# KiCad board register-backplane.kicad_pcb (continued)
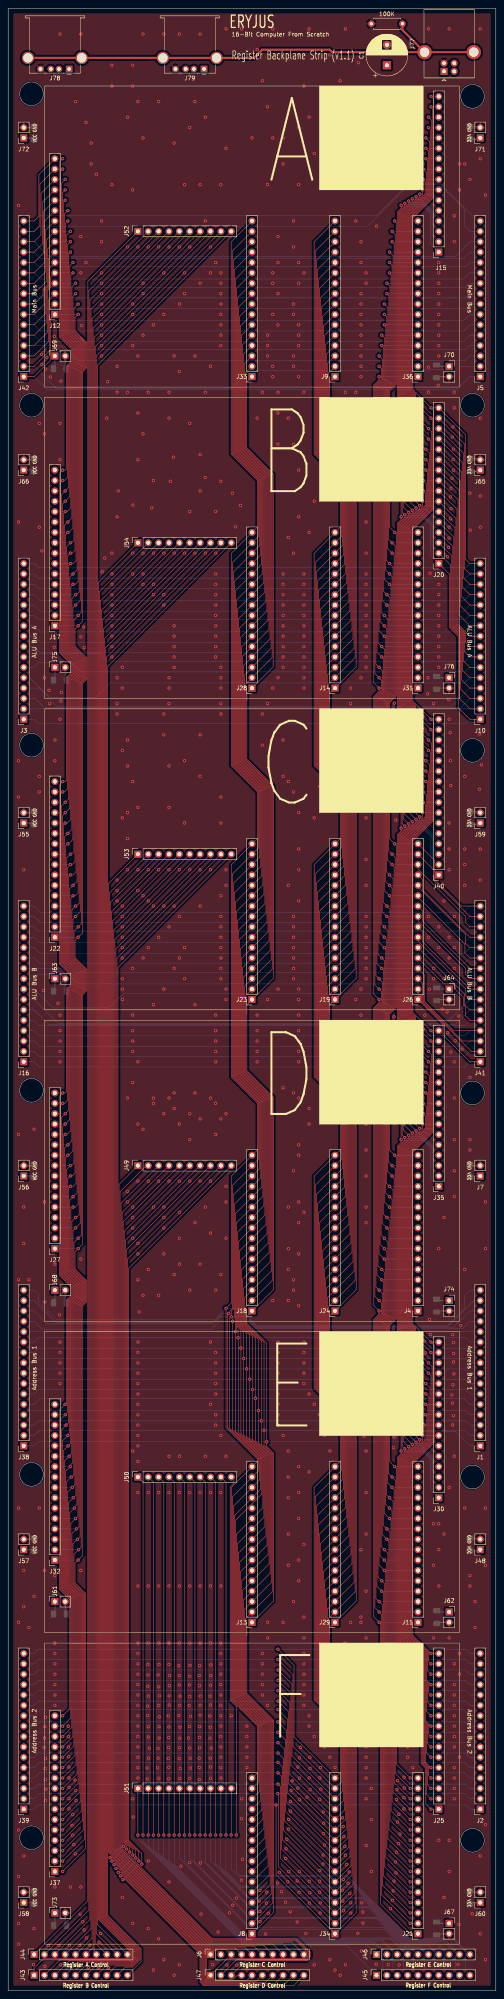
[diagram p0: board, top side]
## Routing (per net, layer and track width the routed paths; a pad name or vN(x,y) marks a point on that pad's centre or on a via; arc(x,y) is an arc through that point)
GNDREF: length 64.9
  Bottom w0.3: 105.12,394.97 J70.2 108.79,394.97 ; J60.2 113.3,24.13 ; C13.2 115.3,456.2 ; J68.2 13.97,168.65 ; J66.2 6.08,374.65 ; 6.06,288.29 J55.2 6.35,288.29 ; 105.15,166.37 J74.2 ; 13.51,396.95 14.19,396.95 ; J56.2 6.08,201.93 ; J69.2 13.97,397.17 ; 105.17,90.17 J62.2 ; J57.2 6.08,110.49 ; J75.2 13.97,320.97 ; J73.2 13.97,16.27 ; J58.2 6.06,24.13 ; 105.17,13.97 J67.2 ; C12.2 115.3,110.76 ; J72.2 6.13,455.93 ; J61.2 13.97,92.47 ; J7.2 113.3,201.93 ; J63.2 13.97,244.87 ; J64.2 105.17,242.57 ; 105.15,318.77 J76.2 ; C6.2 115.3,288.56 ; C25.2 115.3,374.92
  vias: v1(2.54,436.88) v1(2.54,359.41) v1(2.54,300.99) v1(2.54,292.1) v1(2.54,209.55) v1(2.54,173.99) v1(2.54,118.11) v1(2.54,90.17) v1(2.54,39.37) v1(2.54,27.94) v1(2.54,16.51) v1(2.54,11.43) v1(3.81,274.32) v1(3.81,191.77) v1(3.81,182.88) v1(3.81,102.87) v1(3.81,93.98) v1(3.81,33.02) v1(5.08,173.99) v1(5.08,88.9) v1(6.2,6.4) v1(6.35,210.82) v1(6.35,96.52) v1(6.35,15.24) v1(7.62,383.54) v1(7.62,358.14) v1(7.62,297.18) v1(7.62,293.37) v1(7.62,118.11) v1(8.2,400.43) v1(8.25,397.94) v1(8.25,352.35) v1(8.66,244.78) v1(8.79,59.56) v1(8.89,381) v1(8.89,321.31) v1(8.89,193.04) v1(8.89,102.87) v1(8.92,61.87) v1(8.99,168.55) v1(8.99,64.67) v1(9.04,54.38) v1(8.99,6.02) v1(9.12,66.93) v1(9.12,56.82) v1(9.09,51.69) v1(9.12,46.63) v1(9.17,396.82) v1(9.25,49.38) v1(9.5,399.69) v1(9.86,11.1) v1(9.98,318.21) v1(10.16,314.96) v1(10.34,394.89) v1(11.3,404.83) v1(11.35,331.14) v1(11.3,328.78) v1(11.46,407.49) v1(11.43,306.07) v1(11.43,300.99) v1(11.43,177.8) v1(11.43,101.6) v1(11.43,85.09) v1(11.43,82.55) v1(11.43,80.01) v1(11.43,77.47) v1(11.43,74.93) v1(11.43,72.39) v1(11.43,69.85) v1(11.43,25.4) v1(12.22,241.63) v1(12.42,11.1) v1(12.55,165.4) v1(12.7,478.79) v1(12.7,383.54) v1(12.7,374.65) v1(12.7,311.15) v1(12.7,238.76) v1(12.7,234.95) v1(12.7,232.41) v1(12.7,229.87) v1(12.7,227.33) v1(12.7,158.75) v1(12.7,156.21) v1(12.7,153.67) v1(12.7,151.13) v1(12.7,148.59) v1(12.85,6.32) v1(12.9,393.88) v1(12.9,315.6) v1(13,317.73) v1(14.71,64.74) v1(14.76,59.64) v1(14.78,62.18) v1(14.78,57.28) v1(14.83,6.12) v1(14.88,54.76) v1(14.88,52.1) v1(14.88,49.78) v1(14.91,47.04) v1(14.88,44.55) v1(14.96,11.15) v1(15.24,25.4) v1(15.65,40.49) v1(15.8,43.13) v1(15.77,38.07) v1(16.08,35.81) v1(16.38,51.56) v1(16.41,33.53) v1(16.51,462.28) v1(16.56,49) v1(16.64,46.53) v1(17.45,6.12) v1(17.55,11.15) v1(17.6,18.72) v1(17.78,478.79) v1(17.78,429.26) v1(17.78,420.37) v1(17.83,331.32) v1(17.78,179.07) v1(17.78,102.87) v1(17.78,25.4) v1(17.98,407.47) v1(18.26,16.92) v1(18.49,333.71) v1(18.59,328.68) v1(18.62,14.88) v1(19.05,457.2) v1(19.05,422.91) v1(19.15,12.93) v1(19.68,5.72) v1(20.02,11.2) v1(20.32,452.12) v1(20.32,447.04) v1(21.59,444.5) v1(22.23,11.84) v1(22.23,5.72) v1(22.63,14.02) v1(22.86,433.07) v1(22.86,427.99) v1(22.86,420.37) v1(22.86,417.83) v1(22.86,415.29) v1(22.86,412.75) v1(22.86,410.21) v1(22.86,407.67) v1(22.86,405.13) v1(22.86,402.59) v1(22.86,400.05) v1(23.04,347.22) v1(23.62,350.57) v1(24.13,384.81) v1(24.36,393.75) v1(24.59,5.59) v1(25.4,471.17) v1(25.4,466.09) v1(25.4,441.96) v1(25.4,351.79) v1(25.4,346.71) v1(25.4,344.17) v1(25.4,341.63) v1(25.4,339.09) v1(25.4,336.55) v1(25.4,334.01) v1(25.4,331.47) v1(25.4,328.93) v1(25.4,326.39) v1(26.67,397.51) v1(26.67,391.16) v1(26.67,360.68) v1(26.67,321.31) v1(26.67,314.96) v1(26.67,312.42) v1(26.67,271.78) v1(26.67,269.24) v1(26.67,266.7) v1(26.97,367.03) v1(27.94,323.85) v1(27.94,318.77) v1(27.94,303.53) v1(27.94,287.02) v1(27.94,265.43) v1(27.94,262.89) v1(27.94,260.35) v1(27.94,257.81) v1(27.94,255.27) v1(27.94,252.73) v1(27.94,247.65) v1(27.94,245.11) v1(27.94,242.57) v1(27.94,22.86) v1(29.21,458.47) v1(29.21,426.72) v1(29.21,391.16) v1(29.21,306.07) v1(29.21,299.72) v1(29.21,288.29) v1(29.21,281.94) v1(29.21,274.32) v1(29.21,218.44) v1(29.21,195.58) v1(29.21,193.04) v1(30.48,471.17) v1(30.48,466.09) v1(30.48,440.69) v1(30.48,412.75) v1(30.48,410.21) v1(30.48,402.59) v1(30.53,363.55) v1(30.48,351.79) v1(30.48,346.71) v1(30.48,295.91) v1(30.48,250.19) v1(30.48,238.76) v1(30.48,234.95) v1(30.48,232.41) v1(30.48,229.87) v1(30.48,222.25) v1(30.48,191.77) v1(30.48,189.23) v1(30.48,186.69) v1(30.48,184.15) v1(30.48,132.08) v1(30.48,46.99) v1(30.48,16.51) v1(30.61,42.55) v1(31.75,462.28) v1(31.75,426.72) v1(31.75,400.05) v1(31.75,386.08) v1(31.75,374.65) v1(31.75,289.56) v1(31.75,274.32) v1(31.75,269.24) v1(31.75,227.33) v1(31.75,212.09) v1(31.75,198.12) v1(31.75,182.88) v1(31.75,180.34) v1(31.75,173.99) v1(31.75,158.75) v1(31.75,156.21) v1(31.75,153.67) v1(31.75,151.13) v1(31.75,148.59) v1(31.75,146.05) v1(31.75,143.51) v1(31.75,140.97) v1(31.75,138.43) v1(31.75,135.89) v1(31.75,133.35) v1(31.75,129.54) v1(31.75,121.92) v1(31.75,99.06) v1(31.75,85.09) v1(31.75,82.55) v1(31.75,80.01) v1(31.75,77.47) v1(31.75,74.93) v1(31.75,72.39) v1(31.75,69.85) v1(31.75,67.31) v1(31.75,64.77) v1(31.75,62.23) v1(31.75,59.69) v1(31.75,57.15) v1(31.75,54.61) v1(31.75,52.07) v1(32.05,166.14) v1(33.02,478.79) v1(33.02,453.39) v1(33.02,417.83) v1(33.02,415.29) v1(33.02,405.13) v1(33.02,381) v1(33.02,351.79) v1(33.02,346.71) v1(33.02,344.17) v1(33.02,267.97) v1(33.02,252.73) v1(33.02,210.82) v1(33.02,170.18) v1(34.01,54.56) v1(34.14,69.67) v1(34.14,67.36) v1(34.06,51.84) v1(34.19,79.86) v1(34.19,74.52) v1(34.29,426.72) v1(34.29,391.16) v1(34.29,274.32) v1(34.29,266.7) v1(34.29,255.27) v1(34.29,198.12) v1(34.29,176.53) v1(34.29,121.92) v1(34.29,99.06) v1(34.29,85.09) v1(34.26,77.32) v1(34.32,72.11) v1(34.32,64.64) v1(34.32,62.1) v1(34.29,31.75) v1(34.29,15.24) v1(34.37,56.92) v1(34.54,59.36) v1(35.13,362.89) v1(35.56,407.67) v1(35.56,369.57) v1(35.56,351.79) v1(35.56,344.17) v1(35.56,341.63) v1(35.56,265.43) v1(35.56,241.3) v1(35.56,218.44) v1(35.56,217.17) v1(35.56,191.77) v1(35.56,5.08) v1(36.55,54.56) v1(36.73,77.32) v1(36.68,59.31) v1(36.73,56.92) v1(36.83,462.28) v1(36.83,426.72) v1(36.83,274.32) v1(36.83,257.81) v1(36.83,198.12) v1(36.83,170.18) v1(36.83,121.92) v1(36.83,99.06) v1(36.83,85.09) v1(36.86,74.4) v1(36.86,69.85) v1(36.86,52.02) v1(36.83,12.7) v1(36.93,79.86) v1(36.93,64.64) v1(36.93,61.85) v1(37.03,72.16) v1(36.98,67.06) v1(38.1,478.79) v1(38.1,420.37) v1(38.1,410.21) v1(38.1,351.79) v1(38.1,341.63) v1(38.1,339.09) v1(38.1,312.42) v1(38.1,307.34) v1(38.1,265.43) v1(38.1,245.11) v1(38.1,214.63) v1(38.1,191.77) v1(38.1,189.23) v1(38.1,186.69) v1(38.1,180.34) v1(38.1,7.62) v1(39.22,67.26) v1(39.22,56.87) v1(39.34,79.86) v1(39.34,64.57) v1(39.29,61.98) v1(39.29,59.54) v1(39.29,54.69) v1(39.29,51.89) v1(39.37,426.72) v1(39.37,391.16) v1(39.37,384.81) v1(39.37,321.31) v1(39.37,318.77) v1(39.37,314.96) v1(39.37,299.72) v1(39.37,289.56) v1(39.37,274.32) v1(39.37,260.35) v1(39.37,218.44) v1(39.37,198.12) v1(39.37,130.81) v1(39.37,121.92) v1(39.37,99.06) v1(39.37,85.09) v1(39.42,72.16) v1(39.42,69.93) v1(39.37,26.67) v1(39.52,77.14) v1(39.47,74.65) v1(39.7,369.37) v1(40.44,375.26) v1(40.64,452.12) v1(40.64,400.05) v1(40.64,351.79) v1(40.64,334.01) v1(40.64,331.47) v1(40.64,328.93) v1(40.64,326.39) v1(40.64,323.85) v1(40.64,265.43) v1(40.64,250.19) v1(40.64,219.71) v1(40.64,215.9) v1(40.64,175.26) v1(40.64,3.81) v1(41.78,79.55) v1(41.78,67.36) v1(41.91,478.79) v1(41.91,426.72) v1(41.91,412.75) v1(41.91,396.24) v1(41.91,274.32) v1(41.91,262.89) v1(41.91,252.73) v1(41.91,212.09) v1(41.91,198.12) v1(41.91,190.5) v1(41.91,184.15) v1(41.91,177.8) v1(41.91,130.81) v1(41.91,121.92) v1(41.91,99.06) v1(41.91,85.09) v1(41.88,77.14) v1(41.88,74.83) v1(41.88,59.49) v1(41.88,56.82) v1(41.91,6.35) v1(41.96,69.85) v1(42.01,61.8) v1(42.01,51.97) v1(42.09,72.11) v1(42.09,64.52) v1(42.14,54.38) v1(42.27,30.48) v1(43.18,441.96) v1(43.18,420.37) v1(43.18,415.29) v1(43.18,351.79) v1(43.18,300.99) v1(43.18,285.75) v1(43.18,255.27) v1(43.18,247.65) v1(44.15,61.85) v1(44.32,69.8) v1(44.45,455.93) v1(44.45,426.72) v1(44.45,383.54) v1(44.45,361.95) v1(44.45,274.32) v1(44.45,214.63) v1(44.45,208.28) v1(44.45,198.12) v1(44.45,171.45) v1(44.45,121.92) v1(44.45,99.06) v1(44.45,85.09) v1(44.45,76.96) v1(44.37,74.83) v1(44.45,72.03) v1(44.37,64.69) v1(44.45,59.41) v1(44.45,51.97) v1(44.42,31.37) v1(44.5,79.63) v1(44.63,67.18) v1(44.58,56.92) v1(44.63,54.51) v1(45.72,462.28) v1(45.72,400.05) v1(45.72,351.79) v1(45.72,241.3) v1(45.72,219.71) v1(45.72,187.96) v1(46.76,77.14) v1(46.76,56.92) v1(46.81,54.64) v1(46.76,51.71) v1(46.86,79.55) v1(46.86,74.65) v1(46.86,64.64) v1(46.86,62.03) v1(46.86,59.49) v1(46.99,478.79) v1(46.99,441.96) v1(46.99,417.83) v1(46.99,375.92) v1(46.99,367.03) v1(46.99,307.34) v1(46.99,297.18) v1(46.99,274.32) v1(46.99,265.43) v1(46.99,213.36) v1(46.99,198.12) v1(46.99,177.8) v1(46.99,121.92) v1(46.99,99.06) v1(46.99,85.09) v1(46.99,69.85) v1(46.99,67.44) v1(47.04,31.29) v1(47.07,72.11) v1(47.24,18.77) v1(48.26,458.47) v1(48.26,433.07) v1(48.26,391.16) v1(48.23,370.31) v1(48.26,351.79) v1(48.26,191.77) v1(48.26,130.81) v1(49.35,67.26) v1(49.43,72.11) v1(49.43,61.8) v1(49.53,426.72) v1(49.53,420.37) v1(49.53,397.51) v1(49.53,274.32) v1(49.53,218.44) v1(49.53,198.12) v1(49.53,185.42) v1(49.53,158.75) v1(49.53,143.51) v1(49.53,121.92) v1(49.53,99.06) v1(49.53,85.09) v1(49.53,74.78) v1(49.53,69.93) v1(49.48,64.52) v1(49.48,56.92) v1(49.53,54.76) v1(49.53,51.97) v1(49.61,79.76) v1(49.61,77.14) v1(49.66,59.41) v1(50.06,6.43) v1(50.8,422.91) v1(50.8,361.95) v1(50.8,351.79) v1(50.8,346.71) v1(50.8,344.17) v1(50.8,341.63) v1(50.8,339.09) v1(50.8,336.55) v1(50.8,334.01) v1(50.8,331.47) v1(50.8,328.93) v1(50.8,326.39) v1(50.8,238.76) v1(50.8,234.95) v1(50.8,232.41) v1(50.8,229.87) v1(50.8,227.33) v1(50.8,217.17) v1(50.8,209.55) v1(50.8,171.45) v1(50.8,156.21) v1(50.8,153.67) v1(50.8,151.13) v1(50.8,148.59) v1(50.8,146.05) v1(50.8,140.97) v1(50.8,138.43) v1(51.38,14.4) v1(52.07,441.96) v1(52.07,420.37) v1(52.07,417.83) v1(52.07,415.29) v1(52.07,412.75) v1(52.07,410.21) v1(52.07,407.67) v1(52.07,405.13) v1(52.07,402.59) v1(52.07,369.37) v1(52.07,323.85) v1(52.07,321.31) v1(52.07,318.77) v1(52.07,314.96) v1(52.07,312.42) v1(52.07,292.1) v1(52.07,285.75) v1(52.07,267.97) v1(52.07,262.89) v1(52.07,260.35) v1(52.07,257.81) v1(52.07,255.27) v1(52.07,252.73) v1(52.07,250.19) v1(52.07,247.65) v1(52.07,213.36) v1(52.07,175.26) v1(52.07,135.89) v1(52.07,121.92) v1(52.07,99.06) v1(52.07,85.09) v1(52.07,82.55) v1(52.07,80.01) v1(52.07,77.47) v1(52.07,74.93) v1(52.07,72.39) v1(52.07,69.85) v1(52.07,67.31) v1(52.07,64.77) v1(52.07,62.23) v1(52.07,59.69) v1(52.07,57.15) v1(52.07,54.61) v1(52.07,52.07) v1(53.34,480.06) v1(53.34,450.85) v1(53.34,274.32) v1(53.34,270.51) v1(53.34,245.11) v1(53.34,242.57) v1(53.34,214.63) v1(53.34,196.85) v1(53.34,193.04) v1(53.34,184.15) v1(53.34,130.81) v1(53.54,6.3) v1(54.15,19.08) v1(54.61,67.31) v1(54.91,366.45) v1(54.97,20.96) v1(55.65,358.22) v1(55.85,22.66) v1(55.98,6.3) v1(56.9,363.47) v1(57.15,480.06) v1(57.15,46.99) v1(57.1,42.11) v1(57.1,27.08) v1(57.35,32.18) v1(58.42,64.77) v1(58.42,62.23) v1(58.42,59.69) v1(58.42,57.15) v1(58.42,54.61) v1(59.69,453.39) v1(60.96,474.98) v1(60.96,384.81) v1(60.96,238.76) v1(60.96,234.95) v1(60.96,232.41) v1(60.96,229.87) v1(60.96,227.33) v1(61.49,21.97) v1(61.62,24.59) v1(61.62,19.41) v1(61.65,16.97) v1(61.65,6.35) v1(62.23,467.36) v1(62.23,391.16) v1(62.23,312.42) v1(62.23,304.8) v1(62.23,82.55) v1(62.23,80.01) v1(62.23,77.47) v1(62.23,74.93) v1(62.23,72.39) v1(63.02,13.89) v1(63.22,21.46) v1(63.3,24.13) v1(63.5,461.01) v1(63.5,441.96) v1(63.5,405.13) v1(63.5,402.59) v1(63.5,400.05) v1(63.5,314.96) v1(63.5,242.57) v1(63.5,90.17) v1(63.5,86.36) v1(63.5,69.85) v1(63.68,18.97) v1(64.77,480.06) v1(64.77,453.39) v1(64.77,420.37) v1(64.77,417.83) v1(64.77,410.21) v1(64.77,397.51) v1(64.77,394.97) v1(64.77,318.77) v1(64.77,168.91) v1(65.91,26.39) v1(66.04,429.26) v1(66.04,422.91) v1(66.04,415.29) v1(66.04,407.67) v1(66.04,391.16) v1(66.04,386.08) v1(66.04,378.46) v1(66.04,321.31) v1(66.04,245.11) v1(66.04,158.75) v1(66.04,156.21) v1(66.04,153.67) v1(66.04,151.13) v1(66.04,148.59) v1(66.04,146.05) v1(66.04,143.51) v1(66.04,140.97) v1(66.04,138.43) v1(66.37,29.01) v1(66.93,24.26) v1(67.31,453.39) v1(67.31,447.04) v1(67.31,346.71) v1(67.31,344.17) v1(67.31,341.63) v1(67.31,339.09) v1(67.31,336.55) v1(67.31,334.01) v1(67.31,331.47) v1(67.31,328.93) v1(67.31,326.39) v1(67.31,323.85) v1(67.31,306.07) v1(67.31,297.18) v1(67.31,220.98) v1(67.31,135.89) v1(67.31,90.17) v1(67.94,32.39) v1(67.89,21.67) v1(68.02,34.75) v1(68.22,37.06) v1(68.43,26.7) v1(68.58,384.81) v1(68.58,355.6) v1(68.58,295.91) v1(68.58,270.51) v1(68.58,191.77) v1(68.58,181.61) v1(68.58,176.53) v1(68.58,168.91) v1(68.58,132.08) v1(68.58,125.73) v1(68.58,120.65) v1(68.58,111.76) v1(68.58,104.14) v1(68.66,41.94) v1(68.61,39.55) v1(68.66,29.18) v1(69.06,46.28) v1(69.11,43.97) v1(69.06,19.33) v1(69.24,49.02) v1(69.49,51.38) v1(69.85,433.07) v1(69.85,426.72) v1(69.85,412.75) v1(69.85,410.21) v1(69.85,400.05) v1(69.85,397.51) v1(69.85,378.46) v1(69.85,351.79) v1(69.85,293.37) v1(69.85,262.89) v1(69.85,260.35) v1(69.85,257.81) v1(69.85,255.27) v1(69.85,252.73) v1(69.85,250.19) v1(69.85,247.65) v1(69.85,219.71) v1(69.85,200.66) v1(69.85,173.99) v1(69.85,171.45) v1(69.85,95.25) v1(70.76,26.9) v1(70.76,16.87) v1(70.92,54.79) v1(70.89,49.61) v1(71.12,473.71) v1(71.12,455.93) v1(71.12,441.96) v1(71.12,422.91) v1(71.12,417.83) v1(71.12,407.67) v1(71.12,405.13) v1(71.12,402.59) v1(71.12,394.97) v1(71.12,372.11) v1(71.12,360.68) v1(71.12,288.29) v1(71.12,279.4) v1(71.12,274.32) v1(71.12,266.7) v1(71.12,245.11) v1(71.12,242.57) v1(71.12,238.76) v1(71.12,234.95) v1(71.12,232.41) v1(71.12,229.87) v1(71.12,227.33) v1(71.12,218.44) v1(71.12,207.01) v1(71.12,204.47) v1(71.12,193.04) v1(71.12,187.96) v1(71.12,180.34) v1(71.12,167.64) v1(71.12,128.27) v1(71.12,121.92) v1(71.12,115.57) v1(71.12,105.41) v1(71.12,100.33) v1(71.22,24.08) v1(71.3,57.02) v1(71.3,52.04) v1(71.35,46.79) v1(71.27,29.13) v1(71.53,59.59) v1(72.39,466.09) v1(72.39,420.37) v1(72.39,391.16) v1(72.39,346.71) v1(72.39,344.17) v1(72.39,341.63) v1(72.39,339.09) v1(72.39,336.55) v1(72.39,334.01) v1(72.39,331.47) v1(72.39,328.93) v1(72.39,326.39) v1(72.39,323.85) v1(72.39,321.31) v1(72.39,318.77) v1(72.39,190.5) v1(72.39,158.75) v1(72.39,156.21) v1(72.39,153.67) v1(72.39,151.13) v1(72.39,148.59) v1(72.39,109.22) v1(72.39,91.44) v1(72.39,86.36) v1(72.39,82.55) v1(72.39,80.01) v1(72.39,77.47) v1(72.39,74.93) v1(72.39,72.39) v1(72.39,69.85) v1(72.87,14.02) v1(73.15,47.37) v1(73.66,480.06) v1(73.66,458.47) v1(73.66,356.87) v1(73.66,215.9) v1(73.66,212.09) v1(73.66,146.05) v1(73.66,127) v1(73.66,67.31) v1(73.66,64.77) v1(73.71,52.04) v1(73.71,26.82) v1(73.74,21.46) v1(73.84,57.12) v1(73.84,24.03) v1(73.91,54.41) v1(73.91,49.23) v1(74.93,449.58) v1(74.93,364.49) v1(74.93,287.02) v1(74.93,143.51) v1(74.93,62.23) v1(74.93,6.35) v1(76.2,294.64) v1(76.2,140.97) v1(76.23,26.82) v1(76.23,24.13) v1(76.28,52.1) v1(76.28,46.84) v1(76.28,29.44) v1(76.35,19.02) v1(76.45,54.64) v1(76.4,21.51) v1(76.53,49.33) v1(77.11,43.76) v1(77.11,33.22) v1(77.09,30.99) v1(77.24,41.02) v1(77.22,38.48) v1(77.44,35.66) v1(77.47,461.01) v1(77.47,441.96) v1(77.47,138.43) v1(77.47,135.89) v1(77.47,64.77) v1(77.47,59.69) v1(78.74,473.71) v1(78.74,132.08) v1(78.74,62.23) v1(78.74,57.15) v1(78.74,7.62) v1(80.01,462.28) v1(80.01,452.12) v1(80.01,158.75) v1(80.01,54.61) v1(80.01,5.08) v1(80.7,160.55) v1(81.28,467.36) v1(81.28,227.33) v1(81.28,156.21) v1(81.28,153.67) v1(81.28,151.13) v1(81.28,74.93) v1(81.28,3.81) v1(81.84,42.32) v1(81.81,24.61) v1(81.91,21.97) v1(82.02,40.21) v1(82.04,27.23) v1(82.09,19.61) v1(82.17,37.72) v1(82.4,35.33) v1(82.55,480.06) v1(82.55,391.16) v1(82.55,379.73) v1(82.55,312.42) v1(82.55,232.41) v1(82.55,229.87) v1(82.55,85.09) v1(82.55,80.01) v1(82.55,77.47) v1(82.55,33.17) v1(82.55,6.35) v1(82.88,30.91) v1(83.21,26.31) v1(83.49,29.08) v1(83.62,23.77) v1(83.82,454.66) v1(83.82,386.08) v1(83.82,383.54) v1(83.82,318.77) v1(83.82,314.96) v1(83.82,307.34) v1(83.82,303.53) v1(83.82,234.95) v1(83.82,148.59) v1(83.82,90.17) v1(83.82,72.39) v1(83.87,21.54) v1(83.87,19.02) v1(85.09,443.23) v1(85.09,433.07) v1(85.09,391.16) v1(85.09,387.35) v1(85.09,242.57) v1(85.09,146.05) v1(85.09,82.55) v1(85.6,14.05) v1(85.72,471.81) v1(86.36,427.99) v1(86.36,422.91) v1(86.36,415.29) v1(86.36,412.75) v1(86.36,410.21) v1(86.36,407.67) v1(86.36,405.13) v1(86.36,402.59) v1(86.36,400.05) v1(86.36,397.51) v1(86.36,394.97) v1(86.36,375.92) v1(86.36,321.31) v1(86.36,306.07) v1(86.36,245.11) v1(86.36,238.76) v1(86.36,222.25) v1(86.36,158.75) v1(86.36,156.21) v1(86.36,107.95) v1(86.36,91.44) v1(86.36,90.17) v1(86.46,9.75) v1(86.56,21.54) v1(86.82,19.28) v1(86.84,16.59) v1(87.15,135.76) v1(87.22,160.5) v1(87.63,457.2) v1(87.63,445.77) v1(87.63,420.37) v1(87.63,417.83) v1(87.63,367.03) v1(87.63,359.41) v1(87.63,351.79) v1(87.63,346.71) v1(87.63,344.17) v1(87.63,341.63) v1(87.63,339.09) v1(87.63,336.55) v1(87.63,334.01) v1(87.63,331.47) v1(87.63,328.93) v1(87.63,326.39) v1(87.63,323.85) v1(87.63,287.02) v1(87.63,276.86) v1(87.63,270.51) v1(87.63,262.89) v1(87.63,260.35) v1(87.63,257.81) v1(87.63,255.27) v1(87.63,252.73) v1(87.63,250.19) v1(87.63,247.65) v1(87.63,212.09) v1(87.63,205.74) v1(87.63,199.39) v1(87.63,191.77) v1(87.63,187.96) v1(87.63,153.67) v1(87.63,151.13) v1(87.63,148.59) v1(87.63,146.05) v1(87.63,143.51) v1(87.63,140.97) v1(87.63,138.43) v1(87.63,132.08) v1(87.63,121.92) v1(87.63,111.76) v1(87.63,97.79) v1(87.63,86.36) v1(87.63,74.93) v1(87.63,72.39) v1(87.63,69.85) v1(87.63,67.31) v1(87.63,64.77) v1(87.63,62.23) v1(87.63,59.69) v1(87.63,57.15) v1(87.63,54.61) v1(87.63,52.07) v1(87.63,46.99) v1(87.63,35.56) v1(88.9,80.01) v1(88.9,49.53) v1(88.9,41.91) v1(88.9,29.21) v1(90.12,6.53) v1(90.17,431.8) v1(92.71,450.85) v1(93.04,6.43) v1(93.6,20.12) v1(93.98,462.28) v1(94.06,22.15) v1(94.26,24.46) v1(94.31,132.89) v1(94.41,140.56) v1(94.54,315.09) v1(94.46,238.35) v1(94.49,223.42) v1(94.51,212.32) v1(94.46,145.82) v1(94.46,135.51) v1(94.46,26.85) v1(94.61,235.15) v1(94.56,160.5) v1(94.61,138.1) v1(94.69,229.95) v1(94.67,150.98) v1(94.82,158.78) v1(94.82,143.51) v1(94.82,31.55) v1(94.89,296.32) v1(94.89,286.46) v1(94.87,232.59) v1(94.87,155.88) v1(94.87,153.52) v1(94.92,28.85) v1(94.97,312.04) v1(95.02,308.23) v1(95.02,227.46) v1(95,148.31) v1(95.07,46.81) v1(95.07,33.91) v1(95.25,386.08) v1(95.25,377.19) v1(95.25,365.76) v1(95.17,303.89) v1(95.17,49.25) v1(95.28,51.46) v1(95.33,41.3) v1(95.63,43.18) v1(95.58,36.04) v1(95.73,6.32) v1(95.88,38.33) v1(96.52,461.01) v1(96.52,454.66) v1(96.52,80.01) v1(96.52,77.47) v1(96.52,74.93) v1(96.93,52.27) v1(96.88,47.27) v1(96.88,44.53) v1(96.98,49.61) v1(97.79,459.74) v1(97.79,72.39) v1(97.79,69.85) v1(97.79,67.31) v1(97.79,64.77) v1(97.79,62.23) v1(97.79,59.69) v1(97.79,57.15) v1(98.09,6.22) v1(98.86,292.1) v1(98.88,368.2) v1(98.96,145.75) v1(98.93,143.08) v1(99.06,218.24) v1(99.06,140.49) v1(99.06,54.61) v1(99.16,294.49) v1(99.19,215.34) v1(99.34,220.65) v1(99.26,147.96) v1(99.49,373.25) v1(99.49,370.38) v1(99.47,150.42) v1(99.64,223.24) v1(99.75,229.46) v1(99.85,375.84) v1(99.77,152.91) v1(99.9,378.33) v1(99.92,231.88) v1(100,301.9) v1(100.05,299.26) v1(100,296.72) v1(100.03,155.58) v1(100.15,138.56) v1(100.25,234.62) v1(100.36,225.3) v1(100.46,383.49) v1(100.51,143.81) v1(100.53,141.17) v1(100.63,380.72) v1(100.61,304.32) v1(100.61,158.12) v1(100.61,146.1) v1(100.69,6.32) v1(100.76,385.98) v1(100.81,148.64) v1(100.94,388.47) v1(100.89,306.71) v1(100.99,227.51) v1(101.02,151.23) v1(101.22,230) v1(101.27,232.66) v1(101.4,308.86) v1(101.42,153.7) v1(101.52,311.89) v1(101.63,235.28) v1(101.83,158.98) v1(101.98,238.73) v1(102.08,156.08) v1(102.74,321.31) v1(102.69,317.37) v1(102.87,480.06) v1(102.87,397.31) v1(102.87,391.16) v1(102.87,262.89) v1(102.87,257.81) v1(103.05,6.38) v1(103.1,245.08) v1(103.12,164.29) v1(103.28,346.86) v1(103.35,160.6) v1(104.14,314.96) v1(104.14,250.19) v1(104.14,247.65) v1(104.14,114.3) v1(104.14,104.14) v1(104.14,86.36) v1(105.28,392.86) v1(105.41,422.91) v1(105.41,420.37) v1(105.41,417.83) v1(105.41,415.29) v1(105.41,412.75) v1(105.41,410.21) v1(105.41,407.67) v1(105.41,405.13) v1(105.41,402.59) v1(105.41,400.05) v1(105.41,344.17) v1(105.41,341.63) v1(105.41,339.09) v1(105.41,336.55) v1(105.41,334.01) v1(105.41,331.47) v1(105.41,328.93) v1(105.41,326.39) v1(105.41,323.85) v1(105.41,260.35) v1(105.41,255.27) v1(105.41,181.61) v1(105.41,114.3) v1(105.41,107.95) v1(105.41,99.06) v1(105.41,36.83) v1(105.59,6.43) v1(106.22,240.21) v1(106.68,266.7) v1(106.68,247.65) v1(106.68,189.23) v1(106.68,111.76) v1(106.68,22.86) v1(107.44,239.55) v1(107.49,350.93) v1(107.65,234.42) v1(107.8,353.21) v1(107.95,480.06) v1(107.92,358.14) v1(107.92,355.47) v1(107.87,315.98) v1(107.95,311.15) v1(107.95,285.75) v1(107.95,279.4) v1(107.95,274.32) v1(107.95,257.81) v1(107.95,252.73) v1(107.95,123.19) v1(107.95,86.36) v1(107.95,36.83) v1(107.95,29.21) v1(107.9,6.38) v1(108.2,307.85) v1(108.25,301.02) v1(108.28,365.53) v1(108.28,360.2) v1(108.36,294.92) v1(108.36,229.72) v1(108.41,367.67) v1(108.41,362.69) v1(108.64,370.1) v1(108.61,145.82) v1(108.71,380.21) v1(108.81,160.58) v1(108.76,143.81) v1(108.81,138.46) v1(108.89,382.7) v1(108.94,374.7) v1(108.86,148.31) v1(109.02,377.24) v1(109.02,372.08) v1(109.04,158.62) v1(109.04,155.96) v1(109.02,153.87) v1(109.02,140.72) v1(109.12,150.98) v1(109.22,434.34) v1(109.22,427.99) v1(109.22,391.16) v1(109.22,387.35) v1(109.22,262.89) v1(109.22,255.27) v1(109.22,250.19) v1(109.22,227.33) v1(109.22,218.44) v1(109.22,208.28) v1(109.22,200.66) v1(109.22,194.31) v1(109.22,130.81) v1(109.22,80.01) v1(109.22,74.93) v1(109.22,72.39) v1(109.22,69.85) v1(109.22,67.31) v1(109.22,64.77) v1(109.22,62.23) v1(109.22,59.69) v1(109.22,54.61) v1(109.22,52.07) v1(109.22,49.53) v1(109.22,46.99) v1(109.45,232.49) v1(110.13,6.43) v1(110.31,238.53) v1(110.36,16.23) v1(110.49,447.04) v1(110.49,440.69) v1(110.49,82.55) v1(110.49,77.47) v1(110.49,57.15) v1(110.79,162.79) v1(111.1,230.4) v1(111.76,447.04) v1(111.76,297.18) v1(111.76,279.4) v1(111.76,275.59) v1(111.76,270.51) v1(111.76,176.53) v1(111.76,118.11) v1(113.03,443.23) v1(113,366.45) v1(113.03,223.52) v1(113.03,208.28) v1(113.03,205.74) v1(113.03,101.6) v1(113.03,99.06) v1(113.13,357.4) v1(113.61,18.85) v1(114.3,95.25) v1(114.3,88.9) v1(115.44,307.52) v1(115.37,294.03) v1(115.57,480.06) v1(115.57,448.31) v1(115.57,384.81) v1(115.57,365.76) v1(115.57,358.14) v1(115.57,279.4) v1(115.57,271.78) v1(115.57,33.02) v1(115.57,13.97) v1(115.85,299.97) v1(116.84,439.42) v1(116.84,193.04) v1(116.84,181.61) v1(116.84,118.11) v1(116.84,104.14) v1(116.84,40.64) v1(116.84,7.62)
VCC: length 61.8
  Bottom w0.3: C6.1 115.26,285.44 ; 6.06,285.75 J55.1 5.77,285.75 ; C12.1 115.26,107.64 ; 105.16,397.51 J70.1 ; C25.1 115.26,371.8 ; 105.21,245.11 J64.1 ; 105.19,321.31 J76.1 ; J61.1 11.43,92.51 ; J66.1 6.04,372.11 ; J73.1 11.43,16.27 ; J56.1 6.04,199.39 ; J72.1 5.98,453.39 ; J69.1 11.43,397.27 ; J63.1 11.43,244.91 ; J57.1 6.04,107.95 ; J7.1 113.34,199.39 ; 105.19,168.91 J74.1 ; J60.1 113.34,21.59 ; 105.21,92.71 J62.1 ; C13.1 115.25,453.07 ; J68.1 11.43,168.69 ; 105.21,16.51 J67.1 ; J75.1 11.43,321.01 ; J58.1 6.06,21.59
AddrBus1Assert_A: length 245.1
  Top w0.127: v1(27.53,28.12) 28.15,28.12 47.22,9.05 47.22,2.24 47.96,1.5 67.54,1.5 J47.9 ; J49.9 29.16,179.02 29.16,36.79 31.98,33.97 v1(31.98,31.78)
  Bottom w0.127: v1(27.53,28.12) 31.19,31.78 v1(31.98,31.78)
AddrBus1Assert_B: length 162.6
  Top w0.127: v1(53.31,38.13) 53.34,38.15 53.34,124.46 J50.9
  Bottom w0.127: J46.9 107.11,12.27 105.98,12.27 105.98,12.26 98.14,12.26 84.78,25.63 56.92,25.63 53.31,29.24 v1(53.31,38.13)
AddrBus1Assert_C: length 91.4
  Top w0.127: J51.9 52.07,38.15 v1(52.04,38.13)
  Bottom w0.127: v1(52.04,38.13) 52.04,30.15 56.82,25.38 84.67,25.38 98.04,12.01 106.08,12.01 106.09,12.01 106.73,12.01 109.45,9.3 109.45,4.85 J45.9
AddrBus1Assert_D: length 436.4
  Top w0.127: J44.9 21.54,14.02 21.54,400 J52.9
AddrBus1Assert_E: length 307.9
  Top w0.127: J53.9 26.62,252.68 26.62,34.67 49.59,11.71 67.03,11.71 J6.9
AddrBus1Assert_F: length 368.9
  Top w0.127: J54.9 24.08,326.34 24.08,18.37 32.28,10.16 32.28,7.62 30.48,5.82 28.68,5.82 J43.9
AddrBus1Bit0: length 531.1
  Top w0.127: 58.42,163.35 58.42,165.05 ; 58.42,163.35 63.3,158.47 63.3,133.2 64.9,131.6 64.9,95.33 58.42,88.85 ; 58.42,163.35 58.42,165.05 ; 58.42,315.67 58.42,317.45 ; 58.42,315.67 58.42,317.45 ; 58.42,315.67 58.42,301.37 64.9,294.9 64.9,247.73 58.42,241.25 ; 58.42,317.45 59.72,318.74 ; 58.42,238.94 58.42,225.17 64.9,218.7 64.9,171.53 58.42,165.05 ; 58.42,238.94 58.42,241.25 ; 58.42,238.94 58.42,241.25 ; 58.39,392.13 58.39,377.6 64.87,371.12 64.87,323.95 J28.1 ; 58.39,392.13 58.39,392.89 ; 58.39,392.13 58.39,392.89 ; 58.42,88.85 58.42,86.84 ; 58.42,88.85 58.42,86.84 ; 59.72,13.94 64.9,19.13 64.9,66.3 58.42,72.77 58.42,86.84 ; 58.39,392.89 58.39,393.67 J33.1
  Bottom w0.127: J38.1 6.35,133.35 7.39,134.39 63.27,134.39 v1(63.3,134.37) 63.32,134.39 98.83,134.39 101.37,136.93 109.45,136.93 113.03,133.35 J1.1
AddrBus1Bit1: length 520.7
  Top w0.127: 59.72,16.48 64.64,21.41 64.64,66.19 58.17,72.67 58.17,91.14 64.64,97.61 64.64,131.5 62.64,133.5 62.64,158.77 58.17,163.24 58.17,167.34 64.64,173.81 64.64,218.59 58.17,225.07 58.17,243.54 64.64,250.01 64.64,294.79 58.17,301.27 58.17,319.74 59.72,321.28 ; J33.2 58.14,395.96 58.14,377.49 64.62,371.02 64.62,326.24 J28.2
  Bottom w0.127: J1.2 113.03,135.89 111.74,137.18 62.66,137.18 v1(62.64,137.16) 62.61,137.18 7.64,137.18 6.35,135.89 J38.2
AddrBus1Bit2: length 520.5
  Top w0.127: J28.3 64.36,328.52 64.36,370.91 57.89,377.39 57.89,398.25 J33.3 ; 59.72,19.02 64.39,23.7 64.39,66.09 57.91,72.56 57.91,93.42 64.39,99.9 64.39,131.39 61.98,133.8 61.98,159.07 57.91,163.14 57.91,169.62 64.39,176.1 64.39,218.49 57.91,224.96 57.91,245.82 64.39,252.3 64.39,294.69 57.91,301.16 57.91,322.02 59.72,323.82
  Bottom w0.127: J1.3 113.03,138.43 111.99,139.47 62,139.47 v1(61.98,139.5) 61.95,139.47 7.39,139.47 6.35,138.43 J38.3
AddrBus1Bit3: length 520.5
  Top w0.127: 59.72,326.36 57.66,324.31 57.66,301.06 64.13,294.58 64.13,254.58 57.66,248.11 57.66,224.86 64.13,218.38 64.13,178.38 57.66,171.91 57.66,163.03 61.26,159.42 61.26,134.16 64.13,131.29 64.13,102.18 57.66,95.71 57.66,72.46 64.13,65.98 64.13,25.98 59.72,21.56 ; J28.4 64.11,330.81 64.11,370.81 57.63,377.28 57.63,400.53 J33.4
  Bottom w0.127: J1.4 113.03,140.97 111.99,142.01 61.29,142.01 v1(61.26,141.99) 61.24,142.01 4.85,142.01 J38.4
AddrBus1Bit4: length 520.9
  Top w0.127: 59.72,24.1 63.88,28.27 63.88,65.88 57.4,72.35 57.4,97.99 63.88,104.47 63.88,131.18 60.55,134.51 60.55,159.78 57.4,162.93 57.4,174.19 63.88,180.67 63.88,218.28 57.4,224.75 57.4,250.39 63.88,256.87 63.88,294.48 57.4,300.95 57.4,326.59 59.72,328.9 ; J28.5 63.86,333.1 63.86,370.7 57.38,377.18 57.38,402.82 J33.5
  Bottom w0.127: J1.5 113.03,143.51 111.53,145.01 60.58,145.01 v1(60.55,144.98) 60.53,145.01 7.85,145.01 6.35,143.51 J38.5
AddrBus1Bit5: length 520.5
  Top w0.127: 59.72,331.44 57.15,328.88 57.15,300.85 63.63,294.37 63.63,259.16 57.15,252.68 57.15,224.65 63.63,218.17 63.63,182.96 57.15,176.48 57.15,162.82 59.84,160.13 59.84,134.86 63.63,131.07 63.63,106.76 57.15,100.28 57.15,72.25 63.63,65.77 63.63,30.56 59.72,26.64 ; J33.6 57.12,405.1 57.12,377.07 63.6,370.6 63.6,335.38 J28.6
  Bottom w0.127: J38.6 6.35,146.05 7.39,147.09 59.82,147.09 v1(59.84,147.12) 59.87,147.09 111.99,147.09 113.03,146.05 J1.6
AddrBus1Bit6: length 520.5
  Top w0.127: 59.72,29.18 63.37,32.84 63.37,65.67 56.9,72.14 56.9,102.57 63.37,109.04 63.37,130.97 59.13,135.21 59.13,160.48 56.9,162.72 56.9,178.77 63.37,185.24 63.37,218.07 56.9,224.54 56.9,254.97 63.37,261.44 63.37,294.27 56.9,300.74 56.9,331.17 59.72,333.98 ; J33.7 56.87,407.39 56.87,376.97 63.35,370.49 63.35,337.67 J28.7
  Bottom w0.127: J38.7 6.35,148.59 7.39,149.63 59.1,149.63 v1(59.13,149.66) 59.16,149.63 111.99,149.63 113.03,148.59 J1.7
AddrBus1Bit7: length 520.5
  Top w0.127: J28.8 63.09,339.95 63.09,370.39 56.62,376.86 56.62,409.68 J33.8 ; 59.72,336.52 56.64,333.45 56.64,300.64 63.12,294.16 63.12,263.73 56.64,257.25 56.64,224.44 63.12,217.96 63.12,187.53 56.64,181.05 56.64,162.61 58.37,160.88 58.37,135.61 63.12,130.86 63.12,111.33 56.64,104.85 56.64,72.04 63.12,65.56 63.12,35.13 59.72,31.72
  Bottom w0.127: J1.8 113.03,151.13 111.99,152.17 58.4,152.17 v1(58.37,152.2) 58.34,152.17 7.39,152.17 6.35,151.13 J38.8
AddrBus1Bit8: length 520.5
  Top w0.127: 59.72,34.26 62.87,37.41 62.87,65.46 56.39,71.93 56.39,107.14 62.87,113.61 62.87,130.76 57.66,135.97 57.66,161.24 56.39,162.51 56.39,183.34 62.87,189.81 62.87,217.86 56.39,224.33 56.39,259.54 62.87,266.01 62.87,294.06 56.39,300.53 56.39,335.74 59.72,339.06 ; J28.9 62.84,342.24 62.84,370.28 56.36,376.76 56.36,411.96 J33.9
  Bottom w0.127: J38.9 6.35,153.67 7.39,154.71 57.63,154.71 v1(57.66,154.74) 57.68,154.71 111.99,154.71 113.03,153.67 J1.9
AddrBus1Bit9: length 520.5
  Top w0.127: 59.72,341.6 56.13,338.02 56.13,300.43 62.61,293.95 62.61,268.3 56.13,261.82 56.13,224.23 62.61,217.75 62.61,192.1 56.13,185.62 56.13,162.4 56.97,161.56 56.97,136.29 62.61,130.65 62.61,115.9 56.13,109.42 56.13,71.83 62.61,65.35 62.61,39.7 59.72,36.8 ; J28.10 62.59,344.53 62.59,370.18 56.11,376.65 56.11,414.25 J33.10
  Bottom w0.127: J38.10 6.35,156.21 7.39,157.25 56.97,157.25 v1(56.97,157.25) 56.97,157.25 111.99,157.25 113.03,156.21 J1.10
AddrBus1BitA: length 520.4
  Top w0.127: 59.72,344.14 55.88,340.31 55.88,300.32 62.36,293.85 62.36,270.59 55.88,264.11 55.88,224.12 62.36,217.65 62.36,194.39 55.88,187.91 55.88,162 56.29,161.59 56.29,159.87 ; v1(56.29,159.82) 56.29,159.87 ; 56.29,159.87 56.24,159.82 ; J33.11 55.85,416.53 55.85,376.55 62.33,370.07 62.33,346.81 J28.11 ; 59.72,39.34 62.36,41.99 62.36,65.25 55.88,71.72 55.88,111.71 62.36,118.19 62.36,130.55 56.31,136.59 56.31,159.74
  Bottom w0.127: J1.11 113.03,158.75 111.99,159.79 7.39,159.79 6.35,158.75 J38.11
AddrBus1BitB: length 519.6
  Top w0.127: J33.12 55.6,418.82 55.6,376.44 62.08,369.97 62.08,349.1 J28.12 ; 59.72,41.88 62.1,44.27 62.1,65.14 55.63,71.62 55.63,115.11 62.1,121.59 62.1,130.44 55.63,136.92 55.63,190.2 62.1,196.67 62.1,217.54 55.63,224.02 55.63,266.4 62.1,272.87 62.1,293.74 55.63,300.22 55.63,342.6 59.72,346.68
  Bottom w0.127: J38.12 v1(55.63,161.29) J1.12
AddrBus1BitC: length 523
  Top w0.127: J28.13 61.82,351.38 61.82,369.86 55.35,376.34 55.35,421.11 J33.13 ; 59.72,44.42 61.85,46.56 61.85,65.03 55.37,71.51 55.37,116.28 61.85,122.76 61.85,130.34 54.97,137.22 v1(54.97,163.8) 54.97,164.29 55.37,164.69 55.37,192.48 61.85,198.96 61.85,217.43 55.37,223.91 55.37,268.68 61.85,275.16 61.85,293.63 55.37,300.11 55.37,344.88 59.72,349.22
  Bottom w0.127: J38.13 6.35,163.83 8.28,161.9 49.8,161.9 51.71,163.8 58.76,163.8 60.57,162 111.2,162 113.03,163.83 J1.13
AddrBus1BitD: length 525.3
  Top w0.127: 59.72,46.96 61.59,48.84 61.59,64.93 55.12,71.41 55.12,118.57 61.59,125.04 61.59,130.23 54.2,137.62 54.2,164.52 v1(54.64,164.95) 54.61,164.97 54.61,166.29 55.12,166.79 55.12,194.77 61.59,201.24 61.59,217.33 55.12,223.81 55.12,270.97 61.59,277.44 61.59,293.53 55.12,300.01 55.12,347.17 59.72,351.76 ; J28.14 61.57,353.67 61.57,369.76 55.09,376.23 55.09,423.39 J33.14
  Bottom w0.127: J38.14 6.35,166.37 9.52,163.2 12.4,163.2 12.43,163.22 12.97,163.22 13,163.2 31.45,163.2 31.48,163.22 50.28,163.22 52,164.95 57.98,164.95 60.67,162.26 108.92,162.26 113.03,166.37 J1.14
AddrBus1BitE: length 527.8
  Top w0.127: 59.72,354.3 54.86,349.45 54.86,299.9 61.34,293.42 61.34,279.73 54.86,273.25 54.86,223.7 61.34,217.22 61.34,203.53 54.86,197.05 54.86,166.9 53.98,166.01 v1(53.98,165.74) 53.7,165.46 53.7,137.77 61.34,130.13 61.34,127.33 54.86,120.85 54.86,71.3 61.34,64.82 61.34,51.13 59.72,49.5 ; J28.15 61.32,355.96 61.32,369.65 54.84,376.13 54.84,425.68 J33.15
  Bottom w0.127: J1.15 113.98,168.91 107.58,162.51 60.78,162.51 57.55,165.74 52.43,165.74 50.7,164.01 50.44,164.01 49.91,163.48 31.37,163.48 31.34,163.45 13.11,163.45 13.08,163.48 12.32,163.48 12.29,163.45 11.81,163.45 6.35,168.91 J38.15
AddrBus1BitF: length 533
  Top w0.127: J33.16 54.58,427.96 54.58,376.02 61.06,369.54 61.06,358.24 J28.16 ; 59.72,52.04 61.09,53.42 61.09,64.72 54.61,71.2 54.61,123.14 61.09,129.62 61.09,130.02 53.34,137.77 v1(53.34,167) 54.61,168.28 54.61,199.34 61.09,205.82 61.09,217.12 54.61,223.6 54.61,275.54 61.09,282.02 61.09,293.32 54.61,299.8 54.61,351.74 59.72,356.84
  Bottom w0.127: J1.16 113.03,171.45 111.76,170.18 111.76,167.05 107.48,162.76 60.88,162.76 56.64,167 v1(53.34,167) 50.6,164.26 11.81,164.26 7.39,168.68 7.39,170.41 6.35,171.45 J38.16
